# KiCad board PiEEG.kicad_pcb (continued)
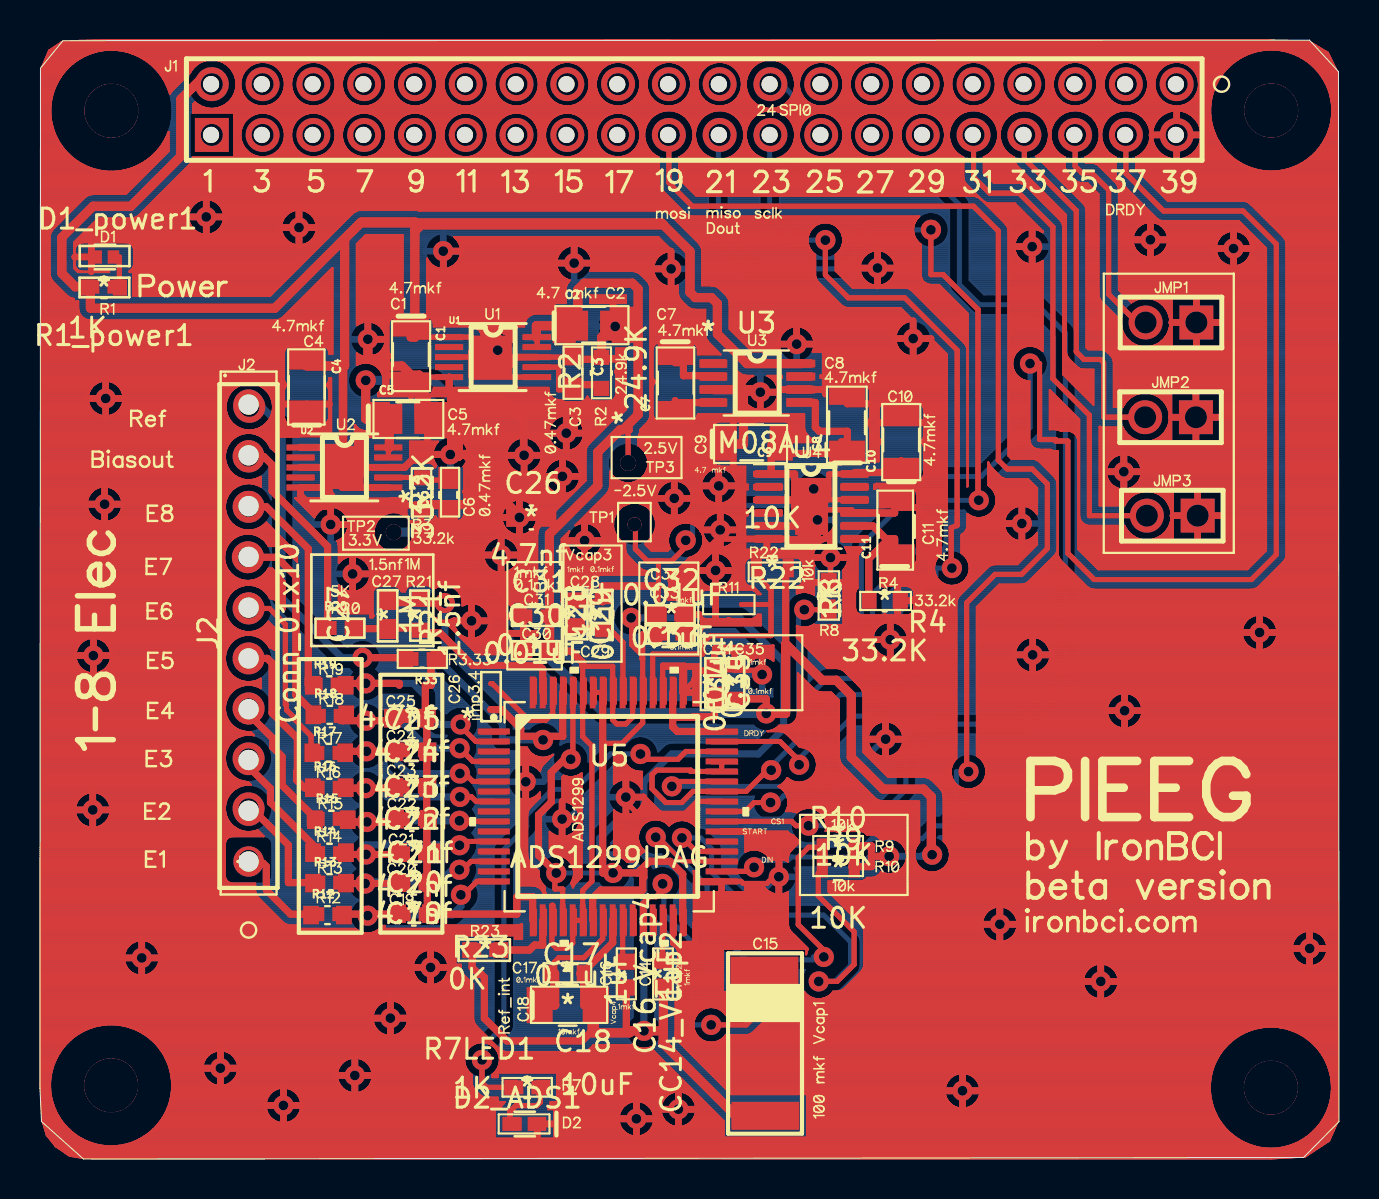
[diagram p0: board, top side]
## Routing (per net, layer and track width the routed paths; a pad name or vN(x,y) marks a point on that pad's centre or on a via; arc(x,y) is an arc through that point) (continued)
; 39.92,24.56 39.97,24.55 ; 39.97,24.55 40.02,24.53 ; 39.97,24.55 40.02,24.53 ; 13.48,50.14 13.38,50.16 ; 13.48,50.14 13.58,50.12 ; 13.48,50.14 13.38,50.16 ; 13.48,50.14 13.58,50.12 ; 13.38,50.16 13.28,50.19 ; 13.38,50.16 13.28,50.19 ; 60.72,28.5 60.68,28.49 ; 60.72,28.5 60.76,28.51 ; 60.72,28.5 60.68,28.49 ; 60.72,28.5 60.76,28.51 ; 60.68,28.49 60.64,28.48 ; 60.68,28.49 60.64,28.48 ; 56.59,38.35 59.05,38.35 ; 56.59,38.35 59.05,38.35 ; 56.59,38.35 56.58,38.35 ; 56.59,38.35 56.58,38.35 ; 59.05,38.35 59.05,35.88 ; 59.05,38.35 59.05,35.88 ; 12.86,29.88 12.86,30.3 ; 12.86,29.88 12.27,30.47 ; 12.86,29.88 12.86,30.3 ; 12.86,29.88 12.27,30.47 ; 12.86,30.3 11.32,31.84 ; 12.86,30.3 11.32,31.84 ; 39.67,46.78 39.71,46.75 ; 39.67,46.78 39.62,46.8 ; 39.67,46.78 39.62,46.8 ; 39.67,46.78 39.71,46.75 ; 39.71,46.75 39.76,46.73 ; 39.71,46.75 39.76,46.73 ; 52.61,28.5 52.57,28.51 ; 52.61,28.5 52.65,28.49 ; 52.61,28.5 52.57,28.51 ; 52.61,28.5 52.65,28.49 ; 52.57,28.51 52.53,28.52 ; 52.57,28.51 52.53,28.52 ; 30.3,30.83 30.29,30.8 ; 30.3,30.83 30.33,30.84 ; 30.3,30.83 30.33,30.84 ; 30.3,30.83 30.29,30.8 ; 30.29,30.8 30.29,30.73 ; 30.29,30.8 30.29,30.73 ; 49.77,35.54 49.73,35.56 ; 49.77,35.54 49.73,35.56 ; 49.77,35.54 49.8,35.53 ; 49.77,35.54 49.8,35.53 ; 49.73,35.56 49.7,35.58 ; 49.73,35.56 49.7,35.58 ; 16.14,39.83 16.19,39.84 ; 16.14,39.83 16.19,39.84 ; 16.14,39.83 16.09,39.82 ; 16.14,39.83 16.09,39.82 ; 16.19,39.84 16.24,39.85 ; 16.19,39.84 15.86,39.84 16.19,39.84 ; 16.19,39.84 16.24,39.85 ; 59.14,33.42 59.14,30.95 ; 59.14,33.42 59.14,30.95 ; 59.14,33.42 56.68,33.42 ; 59.14,33.42 56.68,33.42 ; 59.14,30.95 56.67,30.95 ; 59.14,30.95 56.67,30.95 ; 54.8,54.78 54.89,54.73 ; 54.8,54.78 54.71,54.82 ; 54.8,54.78 54.71,54.82 ; 54.8,54.78 54.89,54.73 ; 2.37,18.32 2.3,18.29 ; 2.37,18.32 2.3,18.29 ; 7.65,52.35 9.71,52.35 ; 7.65,52.35 7.65,52.77 ; 7.65,52.35 7.65,52.77 ; 7.65,52.35 9.71,52.35 ; 9.71,52.35 9.71,50.12 ; 9.71,52.35 9.71,50.12 ; 24.86,32.23 24.87,32.16 ; 24.86,32.23 24.87,32.16 ; 24.86,32.23 24.85,32.3 ; 24.86,32.23 24.85,32.3 ; 24.87,32.16 24.87,32.1 ; 24.87,32.16 24.87,32.1 ; 47.43,12.43 47.49,12.47 ; 47.43,12.43 47.49,12.47 ; 47.43,12.43 47.38,12.38 ; 47.43,12.43 47.38,12.38 ; 47.49,12.47 47.55,12.51 ; 47.49,12.47 47.55,12.51 ; 11.32,31.84 11.26,31.78 ; 11.32,31.84 11.26,31.78 ; 33.62,5.82 33.57,5.82 ; 33.62,5.82 33.57,5.82 ; 33.57,5.82 33.52,5.82 ; 33.57,5.82 33.52,5.82 ; 38.5,54.73 38.59,54.78 ; 38.5,54.73 38.42,54.68 ; 38.5,54.73 38.59,54.78 ; 38.5,54.73 38.42,54.68 ; 38.59,54.78 38.68,54.82 ; 38.59,54.78 38.68,54.82 ; 45.75,19.94 45.78,19.98 ; 45.75,19.94 45.78,19.98 ; 45.75,19.94 45.72,19.9 ; 45.75,19.94 45.72,19.9 ; 45.78,19.98 45.84,20.04 ; 45.78,19.98 45.84,20.04 ; 48.63,39.84 48.63,39.89 ; 48.63,39.84 48.63,39.79 ; 48.63,39.84 48.63,39.89 ; 48.63,39.84 48.63,39.79 ; 48.63,39.89 48.64,39.94 ; 48.63,39.89 48.64,39.94 ; 24.86,53.34 24.82,53.25 ; 24.86,53.34 24.89,53.43 ; 24.86,53.34 24.89,53.43 ; 24.86,53.34 24.82,53.25 ; 24.82,53.25 24.77,53.16 ; 24.82,53.25 24.77,53.16 ; 37.7,16.18 37.66,16.19 ; 37.7,16.18 37.75,16.12 ; 37.7,16.18 37.75,16.12 ; 37.7,16.18 37.66,16.19 ; 49.91,44.8 49.84,44.78 ; 49.91,44.8 49.98,44.83 ; 49.91,44.8 49.98,44.83 ; 49.91,44.8 49.84,44.78 ; 49.84,44.78 49.78,44.77 ; 49.84,44.78 49.78,44.77 ; 8.67,3.72 8.61,3.75 ; 8.67,3.72 8.74,3.7 ; 8.67,3.72 8.74,3.7 ; 8.67,3.72 8.61,3.75 ; 8.61,3.75 8.55,3.79 ; 8.61,3.75 8.55,3.79 ; 22.06,41.31 22.05,41.35 ; 22.06,41.31 22.05,41.35 ; 23.36,25.25 23.36,26.18 ; 23.36,25.25 21.88,25.25 ; 23.36,25.25 23.36,26.18 ; 23.36,25.25 21.88,25.25 ; 23.36,26.18 24.88,26.18 ; 23.36,26.18 24.88,26.18 ; 44.96,50.46 44.89,50.4 ; 44.96,50.46 45.03,50.54 ; 44.96,50.46 44.89,50.4 ; 44.96,50.46 45.03,50.54 ; 44.89,50.4 44.81,50.33 ; 44.89,50.4 44.81,50.33 ; 29.27,19 29.34,19 ; 29.27,19 29.2,18.99 ; 29.27,19 29.34,19 ; 29.27,19 29.2,18.99 ; 29.34,19 29.41,18.99 ; 29.34,19 29.41,18.99 ; 52.34,47.49 52.34,47.4 ; 52.34,47.49 52.34,47.4 ; 16.76,6.59 16.73,6.65 ; 16.76,6.59 16.73,6.65 ; 16.76,6.59 16.8,6.53 ; 16.76,6.59 16.8,6.53 ; 16.73,6.65 16.7,6.71 ; 16.73,6.65 16.7,6.71 ; 53.08,51.31 53.09,51.41 ; 53.08,51.31 53.09,51.41 ; 53.08,51.31 53.08,51.21 ; 53.08,51.31 53.08,51.21 ; 53.09,51.41 53.11,51.51 ; 53.09,51.41 53.11,51.51 ; 28.26,52.87 28.18,52.94 ; 28.26,52.87 28.18,52.94 ; 28.26,52.87 28.34,52.82 ; 28.26,52.87 28.34,52.82 ; 28.18,52.94 28.11,53 ; 28.18,52.94 28.11,53 ; 60.59,45.54 60.59,45.47 ; 60.59,45.54 60.59,45.55 ; 60.59,45.54 60.59,45.47 ; 60.59,45.54 60.59,45.55 ; 60.59,45.47 60.58,45.4 ; 60.59,45.47 60.58,45.4 ; 45.46,2.84 45.42,2.9 ; 45.46,2.84 45.42,2.9 ; 47.5,29.68 47.54,29.7 ; 47.5,29.68 47.54,29.7 ; 40.15,46.17 40.16,46.12 ; 40.15,46.17 40.14,46.22 ; 40.15,46.17 40.16,46.12 ; 40.15,46.17 40.14,46.22 ; 40.16,46.12 40.17,46.08 ; 40.16,46.12 40.17,46.08 ; 28.43,52.77 28.34,52.82 ; 28.43,52.77 28.34,52.82 ; 28.43,52.77 28.52,52.73 ; 28.43,52.77 28.52,52.73 ; 36.43,37.56 36.36,37.54 ; 36.43,37.56 36.49,37.6 ; 36.43,37.56 36.49,37.6 ; 36.43,37.56 36.36,37.54 ; 36.36,37.54 36.3,37.51 ; 36.36,37.54 36.3,37.51 ; 32.59,30.11 32.55,30.1 ; 32.59,30.11 32.55,30.1 ; 32.55,30.1 32.48,30.08 ; 32.55,30.1 32.48,30.08 ; 40.63,51.76 40.69,51.85 ; 40.63,51.76 40.59,51.67 ; 40.63,51.76 40.69,51.85 ; 40.63,51.76 40.59,51.67 ; 40.69,51.85 40.74,51.93 ; 40.69,51.85 40.74,51.93 ; 12.22,51.48 12.24,51.38 ; 12.22,51.48 12.2,51.58 ; 12.22,51.48 12.2,51.58 ; 12.22,51.48 12.24,51.38 ; 12.24,51.38 12.25,51.28 ; 12.24,51.38 12.25,51.28 ; 23.03,50.46 22.96,50.54 ; 23.03,50.46 23.1,50.4 ; 23.03,50.46 23.1,50.4 ; 23.03,50.46 22.96,50.54 ; 22.96,50.54 22.91,50.62 ; 22.96,50.54 22.91,50.62 ; 30.77,38.9 30.73,38.94 ; 30.77,38.9 30.73,38.94 ; 46.45,29.86 46.47,29.82 ; 46.45,29.86 46.47,29.82 ; 46.45,29.86 46.43,29.91 ; 46.45,29.86 46.43,29.91 ; 46.47,29.82 46.48,29.77 ; 46.47,29.82 46.48,29.77 ; 1.89,44.37 1.7,44.56 ; 1.89,44.37 1.7,44.56 ; 50.79,54.3 50.85,54.39 ; 50.79,54.3 50.75,54.21 ; 50.79,54.3 50.75,54.21 ; 50.79,54.3 50.85,54.39 ; 50.85,54.39 50.9,54.47 ; 50.85,54.39 50.9,54.47 ; 33.73,36.77 33.7,36.74 ; 33.73,36.77 33.7,36.74 ; 35.13,51.72 35.16,51.63 ; 35.13,51.72 35.16,51.63 ; 35.13,51.72 35.08,51.81 ; 35.13,51.72 35.08,51.81 ; 35.16,51.63 35.19,51.53 ; 35.16,51.63 35.19,51.53 ; 40.51,51.38 40.5,51.28 ; 40.51,51.38 40.5,51.28 ; 44.92,29.01 44.89,29.05 ; 44.92,29.01 44.89,29.05 ; 44.92,29.01 44.95,28.97 ; 44.92,29.01 44.95,28.97 ; 44.89,29.05 44.86,29.09 ; 44.89,29.05 44.86,29.09 ; 31.98,50.12 31.97,50.11 ; 31.98,50.12 32.07,50.16 ; 31.98,50.12 31.97,50.11 ; 31.98,50.12 32.07,50.16 ; 31.97,50.11 31.97,49.05 ; 31.97,50.11 31.97,49.05 ; 51,30 50.98,30.04 ; 51,30 51.03,29.97 ; 51,30 51.03,29.97 ; 51,30 50.98,30.04 ; 50.98,30.04 50.96,30.07 ; 50.98,30.04 50.96,30.07 ; 9.58,54.52 9.63,54.44 ; 9.58,54.52 9.51,54.6 ; 9.58,54.52 9.63,54.44 ; 9.58,54.52 9.51,54.6 ; 9.63,54.44 9.68,54.35 ; 9.63,54.44 9.68,54.35 ; 13.92,32.38 13.97,32.43 ; 13.92,32.38 13.87,32.33 ; 13.92,32.38 13.87,32.33 ; 13.92,32.38 13.97,32.43 ; 13.97,32.43 14.02,32.47 ; 13.97,32.43 14.02,32.47 ; 54.8,52.77 54.71,52.73 ; 54.8,52.77 54.89,52.82 ; 54.8,52.77 54.71,52.73 ; 54.8,52.77 54.89,52.82 ; 54.71,52.73 54.61,52.7 ; 54.71,52.73 54.61,52.7 ; 9.22,30.04 9.21,30.14 ; 9.22,30.04 9.23,29.94 ; 9.22,30.04 9.21,30.14 ; 9.22,30.04 9.23,29.94 ; 9.21,30.14 9.22,30.24 ; 9.21,30.14 9.22,30.24 ; 32.68,24.53 32.68,22.69 ; 32.68,24.53 32.68,22.69 ; 32.68,24.53 31.62,24.53 ; 32.68,24.53 31.62,24.53 ; 32.68,22.69 33,22.69 ; 32.68,22.69 33,22.69 ; 31.26,17.33 31.22,17.33 ; 31.26,17.33 31.3,17.32 ; 31.26,17.33 31.22,17.33 ; 31.26,17.33 31.3,17.32 ; 31.22,17.33 31.18,17.34 ; 31.22,17.33 31.18,17.34 ; 39.96,16.37 40.01,16.39 ; 39.96,16.37 39.91,16.37 ; 39.96,16.37 40.01,16.39 ; 39.96,16.37 39.91,16.37 ; 40.01,16.39 40.07,16.4 ; 40.01,16.39 40.07,16.4 ; 28.43,52.24 28.52,52.28 ; 28.43,52.24 28.34,52.19 ; 28.43,52.24 28.34,52.19 ; 28.43,52.24 28.52,52.28 ; 28.52,52.28 28.62,52.31 ; 28.52,52.28 28.62,52.31 ; 34.51,52.35 34.6,52.31 ; 34.51,52.35 34.6,52.31 ; 34.51,52.35 34.42,52.39 ; 34.51,52.35 34.42,52.39 ; 34.6,52.31 34.69,52.26 ; 34.6,52.31 34.69,52.26 ; 38.68,17.53 38.73,17.52 ; 38.68,17.53 38.64,17.55 ; 38.68,17.53 38.73,17.52 ; 38.68,17.53 38.64,17.55 ; 38.73,17.52 38.78,17.5 ; 38.73,17.52 38.78,17.5 ; 41.42,50.14 41.32,50.16 ; 41.42,50.14 41.52,50.12 ; 41.42,50.14 41.32,50.16 ; 41.42,50.14 41.52,50.12 ; 41.32,50.16 41.22,50.19 ; 41.32,50.16 41.22,50.19 ; 1.33,5.78 1.44,5.89 ; 1.33,5.78 1.44,5.89 ; 1.33,5.78 1.23,5.67 ; 1.33,5.78 1.23,5.67 ; 1.44,5.89 1.55,5.99 ; 1.44,5.89 1.55,5.99 ; 18.09,28.4 18.12,28.4 ; 18.09,28.4 18.12,28.4 ; 18.09,28.4 18.07,28.43 ; 18.09,28.4 18.07,28.43 ; 18.12,28.4 18.25,28.4 ; 18.12,28.4 18.25,28.4 ; 35.86,15.48 35.91,15.47 ; 35.86,15.48 35.91,15.47 ; 35.86,15.48 35.81,15.48 ; 35.86,15.48 35.81,15.48 ; 35.91,15.47 35.96,15.45 ; 35.91,15.47 35.96,15.45 ; 19.74,51.76 19.78,51.67 ; 19.74,51.76 19.69,51.85 ; 19.74,51.76 19.69,51.85 ; 19.74,51.76 19.78,51.67 ; 19.78,51.67 19.82,51.58 ; 19.78,51.67 19.82,51.58 ; 31.57,43.64 31.5,43.64 ; 31.57,43.64 31.64,43.64 ; 31.57,43.64 31.5,43.64 ; 31.57,43.64 31.64,43.64 ; 31.5,43.64 31.43,43.65 ; 31.5,43.64 31.43,43.65 ; 13.19,50.23 13.1,50.28 ; 13.19,50.23 13.1,50.28 ; 13.19,50.23 13.28,50.19 ; 13.19,50.23 13.28,50.19 ; 13.1,50.28 13.02,50.33 ; 13.1,50.28 13.02,50.33 ; 49.78,44.77 49.71,44.76 ; 49.78,44.77 49.71,44.76 ; 49.71,44.76 49.64,44.75 ; 49.71,44.76 49.64,44.75 ; 20.1,26.94 20.05,26.95 ; 20.1,26.94 20.05,26.95 ; 59.05,35.88 56.58,35.88 ; 59.05,35.88 56.58,35.88 ; 26.98,34.42 26.96,34.49 ; 26.98,34.42 26.96,34.49 ; 37.42,14.88 37.42,15.08 ; 37.42,14.88 37.41,14.89 ; 37.42,14.88 37.42,15.08 ; 37.42,14.88 37.41,14.89 ; 37.42,15.08 37.42,15.12 ; 37.42,15.08 37.42,15.12 ; 47.12,11.82 47.13,11.89 ; 47.12,11.82 47.13,11.89 ; 47.12,11.82 47.12,11.75 ; 47.12,11.82 47.12,11.75 ; 47.13,11.89 47.14,11.96 ; 47.13,11.89 47.14,11.96 ; 39.14,17.24 39.17,17.2 ; 39.14,17.24 39.17,17.2 ; 39.14,17.24 39.1,17.27 ; 39.14,17.24 39.1,17.27 ; 39.17,17.2 39.19,17.15 ; 39.17,17.2 39.19,17.15 ; 16.29,11.29 16.24,11.3 ; 16.29,11.29 16.24,11.3 ; 16.29,11.29 16.34,11.29 ; 16.29,11.29 16.34,11.29 ; 16.24,11.3 16.19,11.31 ; 16.24,11.3 16.19,11.31 ; 38.73,46.67 38.77,46.7 ; 38.73,46.67 38.77,46.7 ; 38.73,46.67 38.69,46.63 ; 38.73,46.67 38.69,46.63 ; 38.77,46.7 38.81,46.72 ; 38.77,46.7 38.81,46.72 ; 16.95,52.07 17.02,52 ; 16.95,52.07 17.02,52 ; 34.73,52.94 34.65,52.87 ; 34.73,52.94 34.8,53 ; 34.73,52.94 34.65,52.87 ; 34.73,52.94 34.8,53 ; 34.65,52.87 34.57,52.82 ; 34.65,52.87 34.57,52.82 ; 56.32,32.97 56.38,32.89 ; 56.32,32.97 56.25,33.05 ; 56.32,32.97 56.25,33.05 ; 56.32,32.97 56.38,32.89 ; 56.38,32.89 56.43,32.81 ; 56.38,32.89 56.43,32.81 ; 64.41,4.68 64.46,4.54 ; 64.41,4.68 64.35,4.82 ; 64.41,4.68 64.46,4.54 ; 64.41,4.68 64.35,4.82 ; 64.46,4.54 64.51,4.4 ; 64.46,4.54 64.51,4.4 ; 3.43,25.65 3.47,25.59 ; 3.43,25.65 3.47,25.59 ; 3.43,25.65 3.4,25.71 ; 3.43,25.65 3.4,25.71 ; 3.47,25.59 3.5,25.52 ; 3.47,25.59 3.5,25.52 ; 38.48,45.58 38.46,45.63 ; 38.48,45.58 38.5,45.54 ; 38.48,45.58 38.46,45.63 ; 38.48,45.58 38.5,45.54 ; 38.46,45.63 38.44,45.67 ; 38.46,45.63 38.44,45.67 ; 26.47,33.33 26.53,33.35 ; 26.47,33.33 26.53,33.35 ; 9.26,20.17 9.27,20.27 ; 9.26,20.17 9.27,20.27 ; 9.26,20.17 9.25,20.07 ; 9.26,20.17 9.25,20.07 ; 9.27,20.27 9.3,20.37 ; 9.27,20.27 9.3,20.37 ; 38.65,46.6 38.69,46.63 ; 38.65,46.6 38.62,46.56 ; 38.65,46.6 38.62,46.56 ; 38.65,46.6 38.69,46.63 ; 53.74,33.63 53.68,33.67 ; 53.74,33.63 53.8,33.59 ; 53.74,33.63 53.68,33.67 ; 53.74,33.63 53.8,33.59 ; 53.68,33.67 53.63,33.71 ; 53.68,33.67 53.63,33.71 ; 26.69,14.11 26.68,14.06 ; 26.69,14.11 26.68,14.06 ; 26.69,14.11 26.7,14.16 ; 26.69,14.11 26.7,14.16 ; 26.68,14.06 26.67,14.01 ; 26.68,14.06 26.67,14.01 ; 20.17,10.21 20.22,10.16 ; 20.17,10.21 20.12,10.26 ; 20.17,10.21 20.12,10.26 ; 20.17,10.21 20.22,10.16 ; 20.22,10.16 20.26,10.1 ; 20.22,10.16 20.26,10.1 ; 23.46,32.83 23.52,32.86 ; 23.46,32.83 23.52,32.86 ; 48.33,50.39 48.27,50.47 ; 48.33,50.39 48.4,50.32 ; 48.33,50.39 48.4,50.32 ; 48.33,50.39 48.27,50.47 ; 48.27,50.47 48.21,50.55 ; 48.27,50.47 48.21,50.55 ; 24.95,53.82 24.95,53.72 ; 24.95,53.82 24.94,53.92 ; 24.95,53.82 24.95,53.72 ; 24.95,53.82 24.94,53.92 ; 24.95,53.72 24.94,53.62 ; 24.95,53.72 24.94,53.62 ; 36.39,21.4 37.01,21.4 ; 36.39,21.4 36.48,21.41 ; 36.39,21.4 36.48,21.41 ; 36.39,21.4 37.01,21.4 ; 37.01,21.4 37.05,21.4 ; 37.01,21.4 37.05,21.4 ; 15.82,54.82 15.92,54.85 ; 15.82,54.82 15.73,54.78 ; 15.82,54.82 15.73,54.78 ; 15.82,54.82 15.92,54.85 ; 15.92,54.85 16.02,54.87 ; 15.92,54.85 16.02,54.87 ; 22.17,51.93 22.23,51.85 ; 22.17,51.93 22.1,52 ; 22.17,51.93 22.1,52 ; 22.17,51.93 22.23,51.85 ; 22.23,51.85 22.28,51.76 ; 22.23,51.85 22.28,51.76 ; 59.48,1.35 59.37,1.45 ; 59.48,1.35 59.59,1.25 ; 59.48,1.35 59.37,1.45 ; 59.48,1.35 59.59,1.25 ; 59.37,1.45 59.27,1.56 ; 59.37,1.45 59.27,1.56 ; 30.37,53.53 30.35,53.62 ; 30.37,53.53 30.4,53.43 ; 30.37,53.53 30.35,53.62 ; 30.37,53.53 30.4,53.43 ; 30.35,53.62 30.34,53.72 ; 30.35,53.62 30.34,53.72 ; 35.14,38.44 35.15,38.51 ; 35.14,38.44 35.15,38.51 ; 35.15,38.51 35.16,38.58 ; 35.15,38.51 35.16,38.58 ; 50.67,53.92 50.69,54.02 ; 50.67,53.92 50.66,53.82 ; 50.67,53.92 50.66,53.82 ; 50.67,53.92 50.69,54.02 ; 50.69,54.02 50.72,54.12 ; 50.69,54.02 50.72,54.12 ; 52.69,37.74 52.69,39.49 ; 52.69,37.74 51.18,39.25 ; 52.69,37.74 51.18,39.25 ; 52.69,37.74 52.69,39.49 ; 52.69,39.49 52.22,39.49 ; 52.69,39.49 52.22,39.49 ; 41.04,44.31 41.02,44.37 ; 41.04,44.31 41.07,44.24 ; 41.04,44.31 41.02,44.37 ; 41.04,44.31 41.07,44.24 ; 41.02,44.37 41.01,44.44 ; 41.02,44.37 41.01,44.44 ; 16.49,39.83 16.54,39.81 ; 16.49,39.83 16.54,39.81 ; 16.54,39.81 16.59,39.8 ; 16.54,39.81 16.59,39.8 ; 2.61,26.08 2.68,26.08 ; 2.61,26.08 2.68,26.08 ; 16.7,52.24 16.61,52.28 ; 16.7,52.24 16.61,52.28 ; 21.31,26.07 21.25,26.1 ; 21.31,26.07 21.25,26.1 ; 21.31,26.07 21.38,26.06 ; 21.31,26.07 21.38,26.06 ; 51.68,54.88 51.78,54.89 ; 51.68,54.88 51.58,54.87 ; 51.68,54.88 51.58,54.87 ; 51.68,54.88 51.78,54.89 ; 51.78,54.89 51.88,54.88 ; 51.78,54.89 51.88,54.88 ; 27.84,29.15 27.88,29.17 ; 27.84,29.15 27.81,29.12 ; 27.84,29.15 27.81,29.12 ; 27.84,29.15 27.88,29.17 ; 27.88,29.17 27.92,29.19 ; 27.88,29.17 27.92,29.19 ; 45.61,2.7 45.67,2.66 ; 45.61,2.7 45.67,2.66 ; 9.4,38.14 9.45,38.23 ; 9.4,38.14 9.45,38.23 ; 9.4,38.14 9.36,38.05 ; 9.4,38.14 9.36,38.05 ; 9.45,38.23 9.5,38.32 ; 9.45,38.23 9.5,38.32 ; 33.18,31.76 33.2,31.82 ; 33.18,31.76 33.16,31.69 ; 33.18,31.76 33.16,31.69 ; 33.18,31.76 33.2,31.82 ; 33.2,31.82 33.23,31.88 ; 33.2,31.82 33.23,31.88 ; 54.89,23.06 54.93,23 ; 54.89,23.06 54.93,23 ; 54.89,23.06 54.83,23.1 ; 54.89,23.06 54.83,23.1 ; 54.93,23 54.98,22.95 ; 54.93,23 54.98,22.95 ; 3.76,38.81 3.81,38.77 ; 3.76,38.81 3.7,38.84 ; 3.76,38.81 3.81,38.77 ; 3.76,38.81 3.7,38.84 ; 3.81,38.77 3.87,38.72 ; 3.81,38.77 3.87,38.72 ; 22.89,41.36 22.96,41.36 ; 22.89,41.36 22.82,41.35 ; 22.89,41.36 22.82,41.35 ; 22.89,41.36 22.96,41.36 ; 22.96,41.36 23.03,41.35 ; 22.96,41.36 23.03,41.35 ; 17.46,40.32 17.44,40.38 ; 17.46,40.32 17.49,40.27 ; 17.46,40.32 17.49,40.27 ; 17.46,40.32 17.44,40.38 ; 17.44,40.38 17.43,40.44 ; 17.44,40.38 17.43,40.44 ; 56.63,50.02 56.55,50.04 ; 56.63,50.02 56.7,50.01 ; 56.63,50.02 56.55,50.04 ; 56.63,50.02 56.7,50.01 ; 56.55,50.04 56.47,50.06 ; 56.55,50.04 56.47,50.06 ; 64.19,11.11 64.23,11.05 ; 64.19,11.11 64.23,11.05 ; 53.88,35.21 53.94,35.23 ; 53.88,35.21 53.94,35.23 ; 56.86,52.66 56.96,52.66 ; 56.86,52.66 56.96,52.66 ; 31.16,24.52 31.62,24.53 ; 31.16,24.52 31.62,24.53 ; 31.16,24.52 31.16,24.75 ; 31.16,24.52 31.16,24.75 ; 17.45,38.43 17.44,38.47 ; 17.45,38.43 17.44,38.47 ; 17.45,38.43 17.47,38.4 ; 17.45,38.43 17.47,38.4 ; 17.44,38.47 17.43,38.51 ; 17.44,38.47 17.43,38.51 ; 4.74,9.24 4.68,9.27 ; 4.74,9.24 4.68,9.27 ; 4.74,9.24 4.81,9.22 ; 4.74,9.24 4.81,9.22 ; 4.68,9.27 4.62,9.31 ; 4.68,9.27 4.62,9.31 ; 30.29,30.73 30.59,30.43 ; 30.29,30.73 30.59,30.43 ; 30.59,30.43 31.39,30.43 ; 30.59,30.43 31.39,30.43 ; 33.12,43.71 33.58,43.71 ; 33.12,43.71 33.58,43.71 ; 33.12,43.71 33.12,45.36 ; 33.12,43.71 33.12,45.36 ; 33.58,43.71 33.63,43.71 ; 33.58,43.71 33.63,43.71 ; 56.61,40.62 56.61,43.09 ; 56.61,40.62 59.08,40.62 ; 56.61,40.62 59.08,40.62 ; 56.61,40.62 56.61,43.09 ; 56.61,43.09 56.62,43.09 ; 56.61,43.09 56.62,43.09 ; 37.22,14.97 37.28,14.95 ; 37.22,14.97 37.15,14.99 ; 37.22,14.97 37.28,14.95 ; 37.22,14.97 37.15,14.99 ; 37.28,14.95 37.35,14.92 ; 37.28,14.95 37.35,14.92 ; 11.38,2.28 11.35,2.35 ; 11.38,2.28 11.35,2.35 ; 11.38,2.28 11.41,2.22 ; 11.38,2.28 11.41,2.22 ; 9.87,31.59 9.78,31.64 ; 9.87,31.59 9.96,31.54 ; 9.87,31.59 9.96,31.54 ; 9.87,31.59 9.78,31.64 ; 9.78,31.64 9.7,31.7 ; 9.78,31.64 9.7,31.7 ; 14.39,38.66 14.41,38.63 ; 14.39,38.66 14.41,38.63 ; 14.41,38.63 14.43,38.59 ; 14.41,38.63 14.43,38.59 ; 55.53,51.44 55.55,51.34 ; 55.53,51.44 55.55,51.34 ; 55.53,51.44 55.51,51.53 ; 55.53,51.44 55.51,51.53 ; 55.55,51.34 55.55,51.23 ; 55.55,51.34 55.55,51.23 ; 63.72,11.4 63.79,11.38 ; 63.72,11.4 63.65,11.41 ; 63.72,11.4 63.79,11.38 ; 63.72,11.4 63.65,11.41 ; 63.79,11.38 63.85,11.36 ; 63.79,11.38 63.85,11.36 ; 61.22,27.21 61.28,27.19 ; 61.22,27.21 61.15,27.22 ; 61.22,27.21 61.15,27.22 ; 61.22,27.21 61.28,27.19 ; 61.28,27.19 61.35,27.16 ; 61.28,27.19 61.35,27.16 ; 51.36,49.37 51.34,49.4 ; 51.36,49.37 51.39,49.34 ; 51.36,49.37 51.34,49.4 ; 51.36,49.37 51.39,49.34 ; 51.34,49.4 51.32,49.44 ; 51.34,49.4 51.32,49.44 ; 38.77,45.24 38.73,45.27 ; 38.77,45.24 38.73,45.27 ; 38.73,45.27 38.69,45.3 ; 38.73,45.27 38.69,45.3 ; 28.68,31.98 28.7,32.04 ; 28.68,31.98 28.7,32.04 ; 28.7,32.04 28.81,32.32 ; 28.7,32.04 28.81,32.32 ; 20.19,53.92 20.21,54.02 ; 20.19,53.92 20.21,54.02 ; 20.19,53.92 20.18,53.82 ; 20.19,53.92 20.18,53.82 ; 20.21,54.02 20.24,54.12 ; 20.21,54.02 20.24,54.12 ; 25.98,52.28 26.08,52.31 ; 25.98,52.28 25.89,52.24 ; 25.98,52.28 26.08,52.31 ; 25.98,52.28 25.89,52.24 ; 26.08,52.31 26.18,52.33 ; 26.08,52.31 26.18,52.33 ; 59.72,50.04 59.6,50.13 ; 59.72,50.04 59.84,49.95 ; 59.72,50.04 59.84,49.95 ; 59.72,50.04 59.6,50.13 ; 59.6,50.13 59.49,50.23 ; 59.6,50.13 59.49,50.23 ; 15.43,31.68 15.42,31.61 ; 15.43,31.68 15.43,31.75 ; 15.43,31.68 15.42,31.61 ; 15.43,31.68 15.43,31.75 ; 15.42,31.61 15.41,31.54 ; 15.42,31.61 15.41,31.54 ; 2.76,32.01 2.7,32.04 ; 2.76,32.01 2.7,32.04 ; 2.76,32.01 2.82,31.97 ; 2.76,32.01 2.82,31.97 ; 2.7,32.04 2.65,32.09 ; 2.7,32.04 2.65,32.09 ; 26.98,33.87 26.95,33.8 ; 26.98,33.87 27,33.94 ; 26.98,33.87 26.95,33.8 ; 26.98,33.87 27,33.94 ; 26.95,33.8 26.92,33.74 ; 26.95,33.8 26.92,33.74 ; 31.48,28.8 31.49,28.76 ; 31.48,28.8 31.49,28.76 ; 31.48,28.8 31.47,28.84 ; 31.48,28.8 31.47,28.84 ; 31.49,28.76 31.49,28.71 ; 31.49,28.76 31.49,28.71 ; 49.5,35.88 49.49,35.92 ; 49.5,35.88 49.49,35.92 ; 49.5,35.88 49.51,35.84 ; 49.5,35.88 49.51,35.84 ; 49.49,35.92 49.49,35.96 ; 49.49,35.92 49.49,35.96 ; 40.98,30.32 41,30.36 ; 40.98,30.32 41,30.36 ; 40.98,30.32 40.96,30.28 ; 40.98,30.32 40.96,30.28 ; 41,30.36 41.03,30.39 ; 41,30.36 41.03,30.39 ; 31.41,30.95 31.41,31 ; 31.41,30.95 31.41,30.9 ; 31.41,30.95 31.41,31 ; 31.41,30.95 31.41,30.9 ; 31.41,31 31.41,31.05 ; 31.41,31 31.41,31.05 ; 49.01,48.83 49.05,48.83 ; 49.01,48.83 49.05,48.83 ; 49.01,48.83 48.97,48.83 ; 49.01,48.83 48.97,48.83 ; 49.05,48.83 49.09,48.82 ; 49.05,48.83 49.09,48.82 ; 35.3,51.31 35.31,51.41 ; 35.3,51.31 35.31,51.41 ; 35.3,51.31 35.3,51.21 ; 35.3,51.31 35.3,51.21 ; 35.31,51.41 35.33,51.51 ; 35.31,51.41 35.33,51.51 ; 21.01,45.13 21.03,45.19 ; 21.01,45.13 21.03,45.19 ; 27.81,53.62 27.8,53.72 ; 27.81,53.62 27.8,53.72 ; 27.81,53.62 27.83,53.53 ; 27.81,53.62 27.83,53.53 ; 27.8,53.72 27.8,53.82 ; 27.8,53.72 27.8,53.82 ; 47.28,11.23 47.24,11.29 ; 47.28,11.23 47.32,11.17 ; 47.28,11.23 47.32,11.17 ; 47.28,11.23 47.24,11.29 ; 47.24,11.29 47.21,11.35 ; 47.24,11.29 47.21,11.35 ; 54.12,52.68 54.02,52.7 ; 54.12,52.68 54.22,52.66 ; 54.12,52.68 54.02,52.7 ; 54.12,52.68 54.22,52.66 ; 54.02,52.7 53.92,52.73 ; 54.02,52.7 53.92,52.73 ; 39.82,16.4 39.88,16.38 ; 39.82,16.4 39.88,16.38 ; 39.82,16.4 39.76,16.41 ; 39.82,16.4 39.76,16.41 ; 39.88,16.38 39.91,16.37 ; 39.88,16.38 39.91,16.37 ; 16.41,28.83 16.38,28.77 ; 16.41,28.83 